# Altium PCB SINA33D3.0.PcbDoc (part 3 of 3)
Units mil, origin at the board's own origin, x right, y up, seen from the top; angles counter-clockwise.
Board outline 5708.66 x 4251.97 mil, 2 copper layers (Top, Bottom), stack 12.7 mil thick; 275 components, 238 nets, 1094 pads, 1002 vias.
Unrouted connection lines stored in the file: 663.
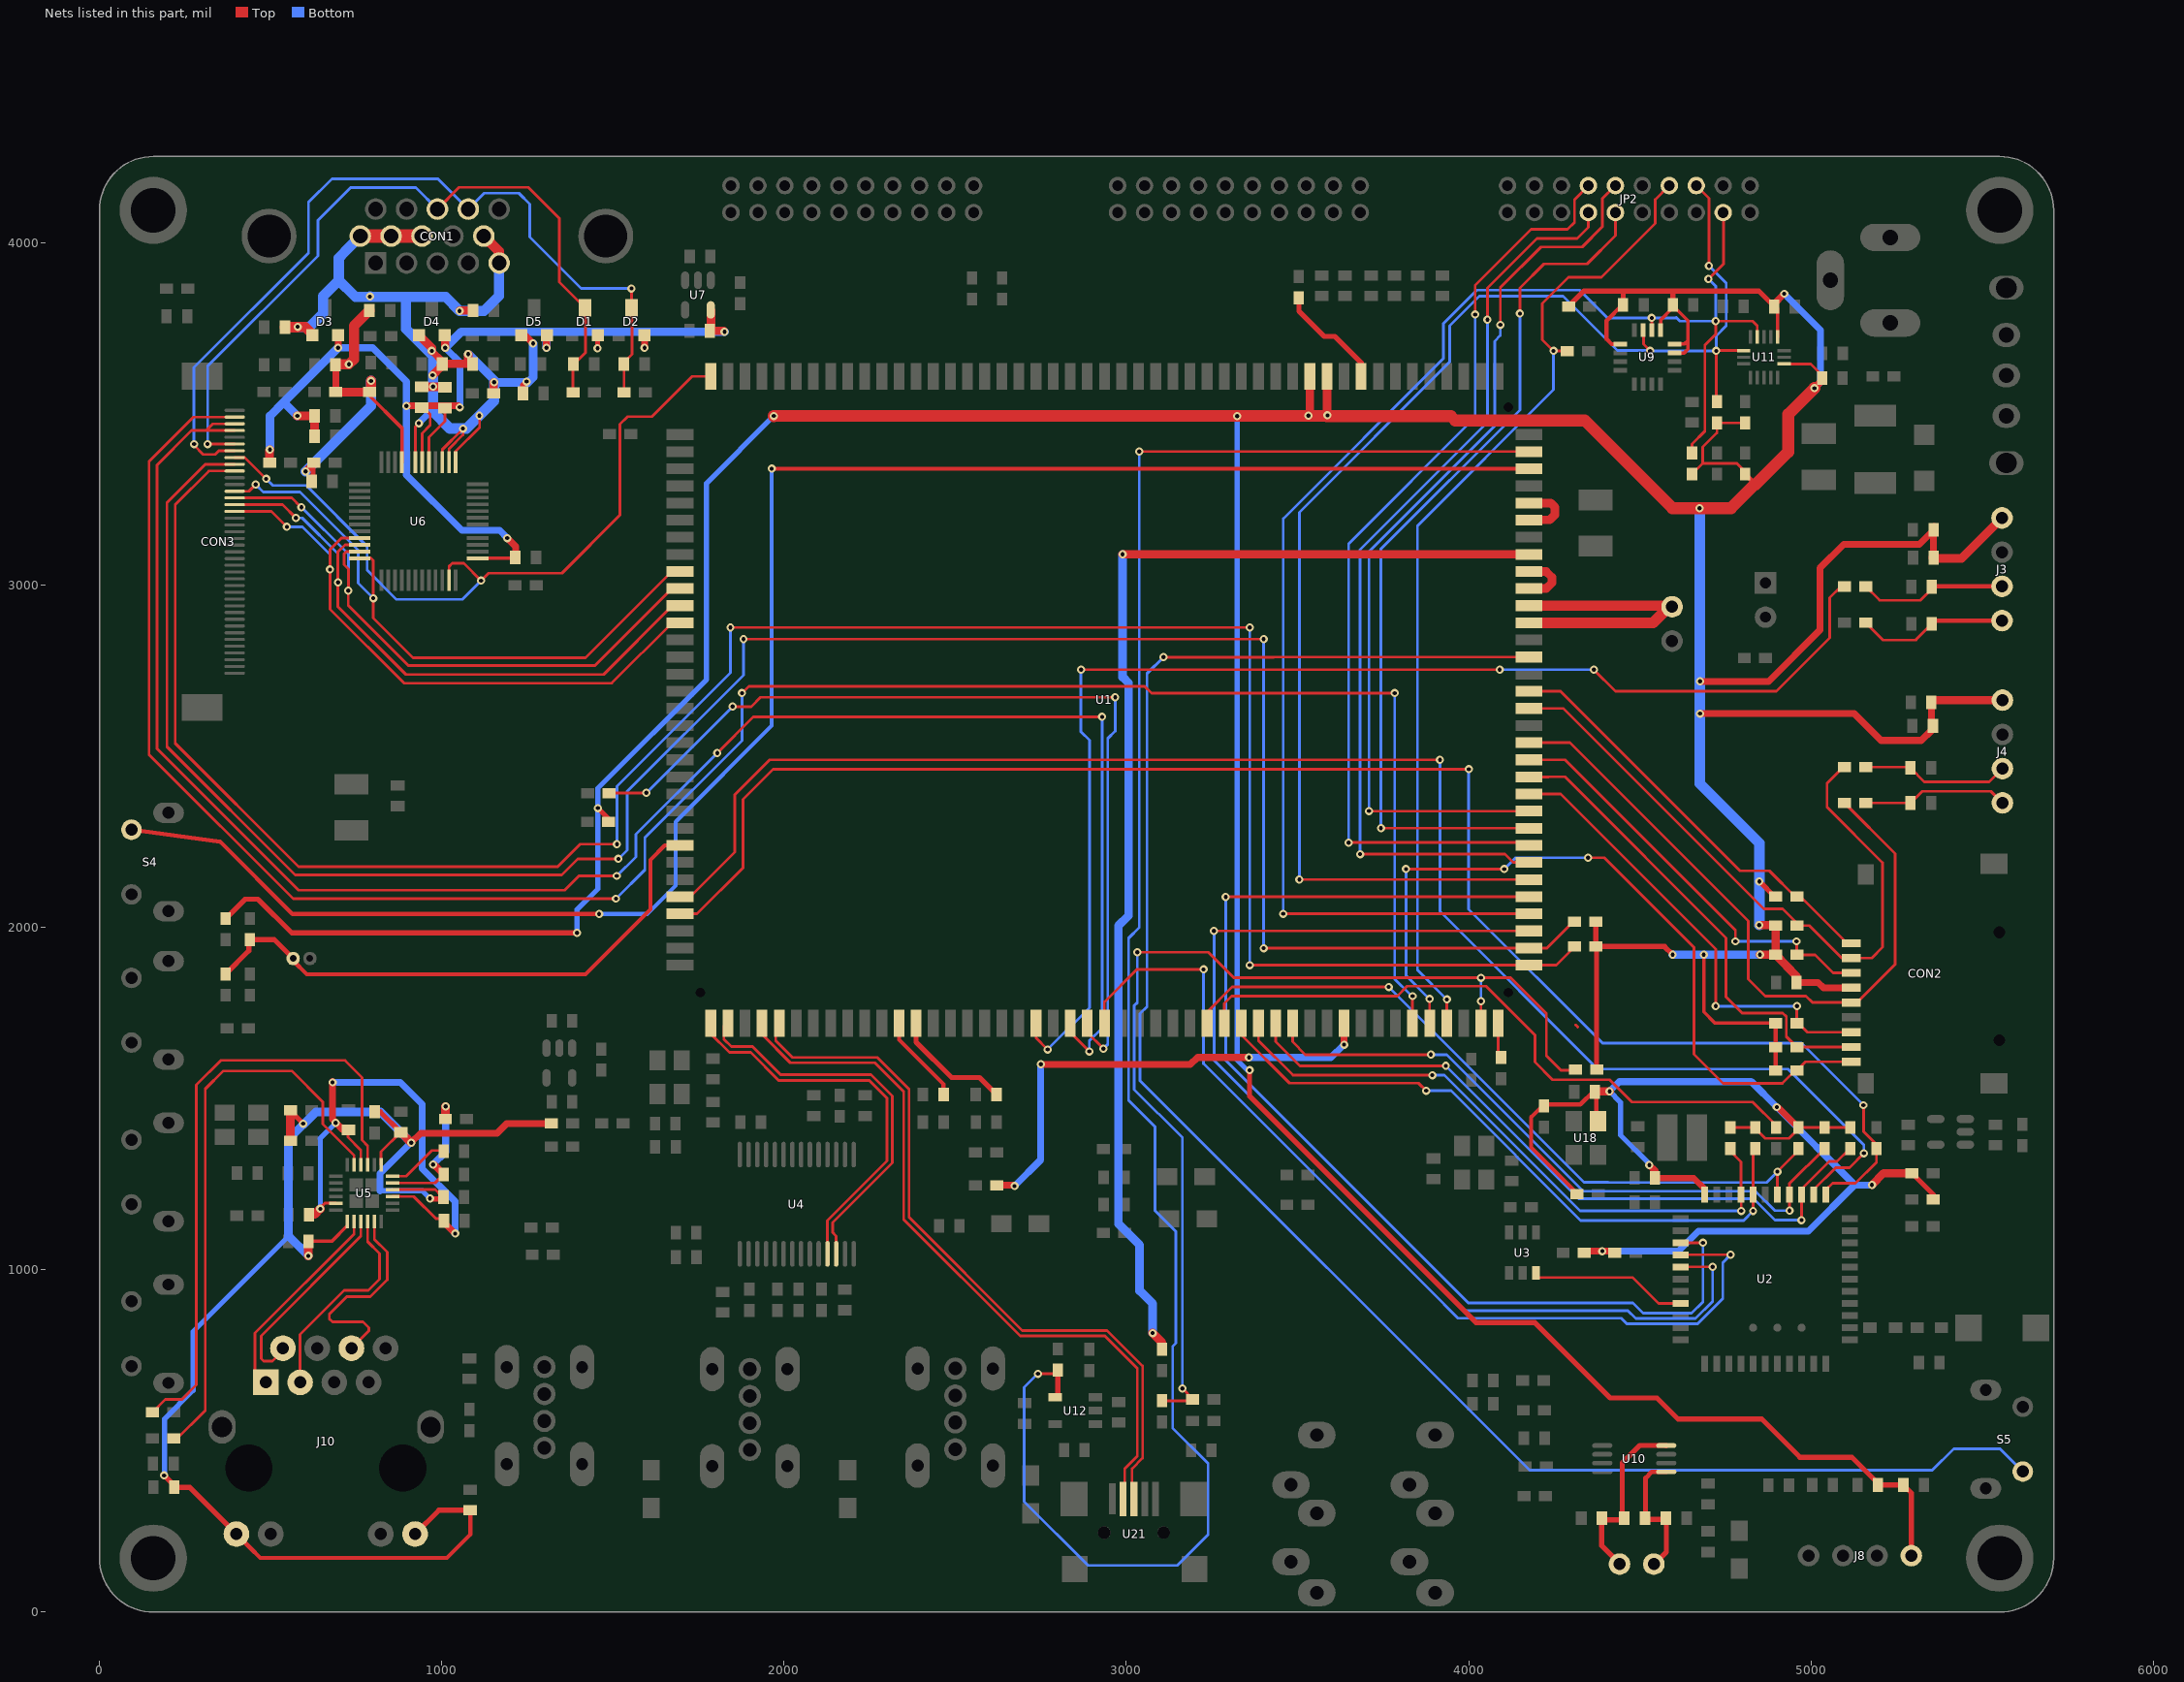
[diagram p3: the nets of this part, all layers, seen from the top]

## Via types
v1: diameter 24, hole 12, Top to Bottom, 999 vias
v2: diameter 40, hole 20, Top to Bottom, 3 vias

## Nets (pads, with @x,y where several pads share a name; then routed paths per layer and width w, separated by ;. In a path a pad name is that pad's centre, name@x,y a point inside that pad or via, vN(x,y) a via of type N, cw(c..) or ccw(c..) an arc to the next point about the centre after c; other vN are vias at no path point) (continued)
LCD-D20: CON3.25 U1.91 U6.45 | length 1833.8
  Top w8: CON3.25@395.28,3214.96 502.76,3214.96 v1(547.64,3170.08) ; U6.45@760.24,3137.21 706.89,3137.21 673.63,3103.94 v1(673.63,3045.28) 673.63,2929.53 889.77,2713.39 1496.85,2713.39 1673.04,2889.57 U1.91@1695.67,2889.57
  Bottom w8: v1(547.64,3170.08) 592.92,3170.08 673.63,3089.37 v1(673.63,3045.28)
LCD-D21: CON3.26 U1.90 U6.46 | length 1841.1
  Top w8: CON3.26@395.28,3234.65 535.44,3234.65 v1(574.02,3196.07) ; U6.46@760.24,3117.52 717.52,3117.52 696.85,3096.85 v1(696.85,3007.48) 696.85,2937.01 895.28,2738.59 1472.84,2738.59 1673.82,2939.57 U1.90@1695.67,2939.57
  Bottom w8: v1(574.02,3196.07) 592.52,3196.07 696.85,3091.74 v1(696.85,3007.48)
LCD-D22: CON3.27 U1.89 U6.47 | length 1845.9
  Top w8: CON3.27@395.28,3254.33 561.82,3254.33 587.8,3228.35 588.98,3228.35 v1(590.16,3227.17) ; U6.47@760.24,3097.84 721.26,3097.84 714.77,3091.34 714.77,3059.26 727.17,3046.85 v1(727.17,2983.47) 726.78,2983.07 726.78,2940.36 902.56,2764.57 1447.64,2764.57 1672.64,2989.57 U1.89@1695.67,2989.57
  Bottom w8: v1(590.16,3227.17) 727.17,3090.16 v1(727.17,2983.47)
LCD-D23: CON3.28 U1.88 U6.48 | length 1866
  Top w8: CON3.28@395.28,3274.02 436.62,3274.02 v1(456.3,3293.7) ; U6.48@760.24,3078.15 760.83,3078.74 792.52,3078.74 800,3071.26 v1(800,2961.42) 800,2903.47 915.75,2787.4 1419.89,2787.4 1672.05,3039.57 U1.88@1695.67,3039.57
  Bottom w8: v1(456.3,3293.7) 478.35,3271.66 585.83,3271.66 755.91,3101.58 755.91,3005.52 v1(800,2961.42)
LCD-DE: CON3.33 U1.79 U6.11 | length 2186.6
  Top w8: CON3.33@395.28,3372.44 424.81,3372.44 v1(487.01,3310.24) ; U6.11@1021.26,3013.98 1021.26,3054.33 1030.18,3063.25 1064.57,3063.25 v1(1114.82,3013) 1136.48,3034.65 1351.19,3034.65 1520.87,3204.33 1520.87,3470.08 1542.72,3491.93 1613.59,3491.93 1731.11,3609.45 U1.79@1785.83,3609.45
  Bottom w8: v1(487.01,3310.24) 506.3,3290.95 603.94,3290.95 782.29,3112.6 782.29,3043.7 868.11,2957.88 1059.7,2957.88 v1(1114.82,3013)
LCD-HSYNC: C36.2 CON1.13 CON3.35 D1.3 R78.2 | length 2265.2
  Top w8: v1(315.75,3411.81) CON3.35@395.28,3411.81 ; CON1.13@987.41,4098.03 1050.79,4161.42 1253.15,4161.42 1343.69,4070.89 1343.69,3884.66 D1.3@1418.51,3809.85 1420.19,3808.17 1420.19,3678.74 C36.2@1387.51,3646.07 ; R78.2@1383.57,3562.6 1383.57,3650.79 1385.04,3649.32 C36.2@1385.04,3646.07
  Bottom w8: v1(315.75,3411.81) 316.34,3412.4 316.34,3639.57 638.19,3961.42 638.19,4065.36 733.86,4161.03 924.41,4161.03 CON1.13@987.41,4098.03
LCD-PWM: R50.1 U1.134 | length 2732
  Top w8: R50.1@1488.88,2391.34 1487.31,2392.91 v1(1597.64,2392.91) ; v1(1849.61,2644.88) 1904.33,2644.88 1931.5,2672.05 v1(2967.32,2672.05) ; U1.134@2885.83,1719.69 2885.83,1692.91 v1(2933.07,1645.67)
  Bottom w8: v1(1597.64,2392.91) v1(1849.61,2644.88) ; v1(2933.07,1645.67) 2945.67,1658.27 2945.67,2551.57 2967.32,2573.23 v1(2967.32,2672.05)
LCD-RST: R105.2 U1.131 | length 3713.1
  Top w8: U1.131@2735.83,1719.69 2735.83,1677.16 v1(2769.68,1643.31) ; v1(2867.32,2752.76) v1(4090.55,2752.76) ; v1(4365.35,2752.76) 4428.74,2689.37 4898.82,2689.37 5054.72,2845.28 5054.72,2962.6 5087.8,2995.67 R105.2@5097.74,2995.67
  Bottom w8: v1(2769.68,1643.31) 2892.13,1765.75 2892.13,2546.85 2867.32,2571.65 v1(2867.32,2752.76) ; v1(4090.55,2752.76) v1(4365.35,2752.76)
LCD-VSYNC: C37.2 CON1.14 CON3.34 D2.3 R77.2 | length 2497.2
  Top w8: v1(276.38,3411.81) 275.59,3411.03 275.59,3409.06 303.15,3381.5 338.19,3381.5 348.82,3392.13 CON3.34@395.28,3392.13 ; R77.2@1532.39,3562.6 1532.39,3645.96 C37.2@1532.29,3646.07 1532.29,3650 1555.91,3673.63 1555.91,3808.27 D2.3@1554.34,3809.85 v1(1554.34,3866.14)
  Bottom w8: v1(276.38,3411.81) 276.38,3635.44 610.63,3969.69 610.63,4118.11 679.14,4186.62 988.98,4186.62 CON1.14@1077.56,4098.03 1124.22,4144.69 1225.2,4144.69 1257.09,4112.8 1257.09,4016.54 1407.48,3866.14 v1(1554.34,3866.14)
LRADC0: CN2.1 R52.2 R56.1 U1.104 | length 1672.4
  Top w12: R56.1@436.33,1961.23 R56.1@438.98,1963.89 ; CN2.1@565.75,1909.06 566.93,1907.88 566.93,1901.97 605.81,1863.09 605.81,1862.7 1419.69,1862.7 1609.45,2052.46 1609.45,2197.44 1651.58,2239.57 U1.104@1695.67,2239.57
  Top w15: R52.2@368.9,1864.07 436.33,1931.5 R56.1@436.33,1961.23 ; R56.1@438.98,1963.89 439.27,1964.18 510.63,1964.18 CN2.1@565.75,1909.06
LS-INT: JP2.7 R87.1 U1.155 | length 2914.8
  Top w8: U1.155@3935.83,1719.69 3936.22,1719.69 v1(3936.22,1789.37) ; R87.1@4288.3,3683.47 4285.04,3680.22 4281.4,3683.86 v1(4247.64,3683.86) 4214.77,3716.74 4214.77,3822.25 4291.73,3899.21 4387.4,3899.21 4544.49,4056.3 4544.49,4125.99 4585.25,4166.74 JP2.7@4585.84,4166.74
  Bottom w8: v1(3936.22,1789.37) 3850.4,1875.2 3850.4,3172.84 4247.64,3570.08 v1(4247.64,3683.86)
MCLK-IN: U2.30 U3.6 | length 467.7
  Top w8: U3.6@4196.46,990.95 4196.46,977.56 4478.35,977.56 4554.33,901.58 U2.30@4619.3,901.58
MIC1N: C75.2 U1.123 | length 262.1
  Top w11.81: U1.123@2335.83,1719.69 2335.83,1671.66 2465.75,1541.74 C75.2@2465.75,1511.42
MIC1P: C74.2 U1.124 | length 353
  Top w15: U1.124@2385.83,1719.69 2385.83,1664.96 2489.57,1561.22 2570.67,1561.22 C74.2@2620.48,1511.42
MIC-MBIAS: R90.1 U1.149 | length 1411.4
  Top w8: v1@2670.87,1246.85 v1(2673.23,1244.49)
  Top w20: R90.1@2621.56,1246.85 v1@2670.87,1246.85 ; v1(2750,1600) 3187.01,1600 3208.27,1620.08 v1(3357.87,1620.08) ; v1(3635.83,1657.48) U1.149@3635.83,1719.69
  Bottom w20: v1(2673.23,1244.49) 2750,1321.26 v1(2750,1600) ; v1(3357.87,1620.08) 3598.04,1620.08 v1(3635.83,1657.48)
NET_1V0: C5.2 C6.2 C11.1 U5.9 U5.16 U5.23 | length 1594.5
  Top w8: C5.2@612.21,1162.6 612.21,1160.75 C5.2@612.28,1160.68 ; v1(645.28,1177.96) 645.28,1180.71 659.06,1194.49 U5.23@690.95,1194.49 ; C6.2@727.61,1408.59 725.99,1406.97 725.99,1387.01 763.78,1349.22 U5.16@763.78,1306.7 ; U5.9@856.3,1214.18 877.17,1214.18 877.37,1213.98 918.16,1213.98 983,1149.14 1006.61,1149.14 C11.1@1006.61,1142.96 1010.63,1138.94 C11.1@1010.63,1134.26
  Top w20: v1@681.11,1549.61 v1(681.11,1547.25) 681.11,1439.37 690.95,1429.53 711.42,1409.06 727.15,1409.06 C6.2@727.61,1408.59 ; C11.1@1010.63,1134.26 v1(1039.37,1105.52)
  Top w25: C5.2@612.21,1162.6 628.35,1162.6 629.14,1161.81 v1(645.28,1177.96)
  Bottom w15: v1(645.28,1177.96) 645.28,1382.29 644.49,1383.07 v1(690.16,1428.74)
  Bottom w20: v1(681.11,1547.25) 879.14,1547.25 943.31,1483.07 943.31,1295.67 1039.37,1199.61 v1(1039.37,1105.52)
NET_1V_UPS: C8.2 U5.12 | length 181.5
  Top w8: U5.12@856.3,1273.23 895.67,1273.23 970.87,1348.43 1003.82,1348.43 C8.2@1005.84,1346.41
NET_3V3: C7.1 C10.1 C12.2 ESD6.2 ESD7.2 J10.9 J10.12 R28.1 R35.1 R36.2 R76.1 U5.1 U5.10 U5.13 | length 4501.2
  Top w8: R35.1@557.98,1461.03 R35.1@561.03,1461.03 ; C12.2@611.1,1082.73 C12.2@611.84,1083.47 ; U5.1@724.41,1128.35 U5.1@724.41,1141.34 U5.1@724.41,1143.31 ; U5.13@822.84,1306.7 822.84,1344.49 879.84,1401.49 C7.1@880.27,1401.49 C7.1@880.4,1401.49 ; U5.10@856.3,1233.86 981.11,1233.86 998.43,1216.54 1000.75,1216.54 C10.1@1005.04,1212.25 C10.1@1005.04,1207.09 ; v1@969.73,1207.09 v1(965.75,1208.27) v1@974.28,1208.27
  Top w9.84: C12.2@611.84,1083.47 679.53,1083.47 U5.1@724.41,1128.35
  Top w11.81: J10.9@400.4,227.96 440.95,187.41 469.68,158.66 1015.35,158.66 1083.46,226.77 1083.46,297.22 ESD6.2@1083.12,297.57
  Top w15: R35.1@561.03,1461.03 v1(595.28,1426.77) ; R36.2@803.94,1461.32 820.48,1461.29 C7.1@880.27,1401.49 ; J10.12@922.05,227.96 991.66,297.57 ESD6.2@1083.12,297.57
  Top w15.75: v1(188.98,399.21) 220.88,367.31 ESD7.2@223.57,364.62 ; ESD7.2@218.19,364.62 ESD7.2@223.57,364.62 ; J10.9@400.4,227.96 263.74,364.62 ESD7.2@223.57,364.62 ; v1@969.73,1207.09 C10.1@1005.04,1207.09
  Top w20: v1(910.63,1371.26) 938.39,1399.02 1161.62,1399.02 1189.77,1427.17 R76.1@1320.19,1427.17
  Top w25: R28.1@557.98,1376.77 557.98,1461.03 R35.1@557.98,1465.75 ; v1(610.24,1040.55) 610.24,1081.87 C12.2@611.1,1082.73 ; C7.1@880.4,1401.49 v1(910.63,1371.26)
  Bottom w8: 900.89,1381.01 v1(910.63,1371.26)
  Bottom w15: v1(188.98,399.21) 190.55,400.79 190.55,564.57 273.62,647.64 273.62,818.89 552.37,1097.64 552.37,1098.43 ; 820.08,1230.71 943.3,1230.71 v1(965.75,1208.27)
  Bottom w20: 820.08,1230.71 820.08,1280.71 v1(910.63,1371.26)
  Bottom w25: v1(610.24,1040.55) 552.37,1098.43 552.37,1381.5 594.49,1423.63 595.67,1423.63 633.08,1461.03 820.87,1461.03 900.89,1381.01
NET_5V: C9.2 R71.1 U5.11 | length 426.6
  Top w8: U5.11@856.3,1253.55 981.89,1253.55 981.89,1254.75 C9.2@1005.84,1278.7 ; v1(974.41,1307.09) v1@977.45,1307.09 ; v1@1010.74,1477.17 v1(1011.42,1477.17)
  Top w20: v1@977.45,1307.09 C9.2@1005.84,1278.7
  Top w25: R71.1@1010.74,1440.55 v1@1010.74,1477.17
  Bottom w20: v1(974.41,1307.09) 1011.42,1344.1 v1(1011.42,1477.17)
NET_LED_LINK: R45.1 U5.15 | length 1834
  Top w8: R45.1@155.22,583.86 192.52,621.16 241.73,621.16 241.73,621.94 283.46,663.68 283.46,1540.55 354.33,1611.42 717.32,1611.42 767.32,1561.42 767.32,1378.35 783.47,1362.2 U5.15@783.47,1306.7
NET_LED_TXRX: R44.1 U5.17 | length 1696.8
  Top w8: R44.1@217.22,507.48 221.26,506.59 221.26,501.18 222.39,502.31 309.06,588.98 309.06,1527.96 361.82,1580.71 561.82,1580.71 652.76,1489.77 652.76,1425.2 744.1,1333.86 U5.17@744.1,1306.7
NET_RXIN: J10.6 U5.5 | length 617.2
  Top w8: J10.6@736.22,770.87 787.01,821.66 787.01,830.71 770.08,847.64 680.77,847.64 671.66,856.75 671.66,870.08 722.84,921.26 791.34,921.26 840.56,970.48 840.56,1051.18 803.15,1088.59 U5.5@803.15,1141.34
NET_RXIP: J10.3 U5.4 | length 622.4
  Top w8: J10.3@586.22,670.87 586.22,811.42 714.57,939.77 785.44,939.77 818.11,972.44 818.11,1047.64 783.47,1082.29 U5.4@783.47,1141.34
NET_TXON: J10.2 U5.3 | length 608.1
  Top w8: J10.2@536.22,770.87 532.29,766.93 532.29,759.85 505.12,732.68 480.32,732.68 472.84,740.16 472.84,807.09 763.78,1098.03 U5.3@763.78,1141.34
NET_TXOP: J10.1 U5.2 | length 603.4
  Top w8: J10.1@486.22,670.87 454.73,702.37 454.73,815.36 744.1,1104.73 U5.2@744.1,1141.34
PA-SHDN: R97.1 U1.158 | length 109.7
  Top w8: U1.158@4085.83,1719.69 4085.83,1618.9 4086.52,1619.59 R97.1@4094.49,1619.59
PG11: U1.135 U2.26 | length 2812.3
  Top w8: U1.135@2935.83,1719.69 2935.83,1782.68 3030.32,1877.17 v1(3225.2,1877.17) ; U2.26@4619.3,1043.31 4619.3,1043.7 v1(4764.96,1043.7)
  Bottom w8: v1(3225.2,1877.17) 3225.2,1601.97 3886.22,940.95 3968.7,858.47 4445.67,858.47 4462.01,842.13 4668.51,842.13 4742.13,915.75 4742.13,1020.87 v1(4764.96,1043.7)
PG12: U1.3 U2.27 | length 3282.8
  Top w8: v1(3255.91,1989.77) 3256.11,1989.57 U1.3@4175.99,1989.57 ; U2.27@4619.3,1007.88 4620.08,1008.66 v1(4712.6,1008.66)
  Bottom w8: v1(3255.91,1989.77) 3255.91,1611.81 3987.01,880.71 4464.57,880.71 4487.8,857.48 4662.6,857.48 4712.6,907.48 v1(4712.6,1008.66)
PG13: U1.5 U2.25 | length 3335.1
  Top w8: v1(3290.16,2088.59) 3290.56,2089.57 U1.5@4175.99,2089.57 ; v1(4684.26,1078.74) U2.25@4619.3,1078.74 ; U2.25@4619.3,1078.74 4611.03,1078.74 4610.24,1079.53 4620.08,1079.53 U2.25@4619.3,1078.74
  Bottom w8: v1(3290.16,2088.59) 3290.16,1611.81 3998.82,903.15 4479.14,903.15 4509.45,872.84 4650.79,872.84 4684.26,906.3 v1(4684.26,1078.74)
POWER_ON_OFF: S4.2 U1.30 | length 5260
  Top w12: S4.2@93.7,2285.43 352.76,2250.4 564.18,2038.98 v1(1459.85,2038.98) ; v1(1963.78,3339.77) 1963.98,3339.57 U1.30@4175.99,3339.57
  Bottom w12: v1(1459.85,2038.98) 1600,2038.98 1683.08,2122.05 1683.08,2308.27 1963.78,2588.98 v1(1963.78,3339.77)
PS: U1.27 U1.28 | length 185.4
  Top w25: U1.27@4175.99,3189.57 4176.58,3190.16 4236.62,3190.16 4251.97,3205.51 4251.97,3227.17 4239.57,3239.57 U1.28@4175.99,3239.57
RESET: S5.2 U1.19 | length 5436.7
  Top w8: v1(3108.27,2789.37) 3430.32,2789.37 3430.42,2789.47 3430.61,2789.47 3430.71,2789.57 U1.19@4175.99,2789.57
  Bottom w8: v1(3108.27,2789.37) 3060.24,2741.34 3060.24,1768.5 3039.76,1748.03 3039.76,1552.37 4135.48,456.65 4177.56,414.57 5353.94,414.57 5416.54,477.17 5551.97,477.17 S5.2@5618.51,410.63
SDC0-CLK: CON2.5 R106.2 U1.14 | length 2062.4
  Top w8: U1.14@4175.99,2539.57 4295.28,2539.57 4816.15,2018.7 4816.15,1849.02 4865.75,1799.41 4985.47,1799.41 5004.33,1780.55 5134.33,1780.55 5245.75,1891.97 5245.75,2215.38 R106.2@5097.74,2363.39
SDC0-CMD: CON2.3 R93.1 U1.13 | length 1240.1
  Top w8: U1.13@4175.99,2489.57 4281.11,2489.57 4779.14,1991.54 v1(4779.14,1959.26) ; v1(4957.48,1959.26) 4958.56,1958.18 R93.1@4958.56,1919.89 5011.46,1919.89 5064.18,1867.17 CON2.3@5116.93,1867.17
  Bottom w8: v1(4779.14,1959.26) v1(4957.48,1959.26)
SDC0-D0: CON2.7 R92.1 U1.11 | length 1360.8
  Top w8: U1.11@4175.99,2389.57 4236.03,2389.57 4236.22,2389.77 4268.9,2389.77 4721.66,1937.01 v1(4721.66,1769.89) ; v1(4958.67,1769.89) 4958.56,1769.78 R92.1@4958.56,1720 4958.68,1723.12 4959.8,1723.12 4988.98,1693.94 CON2.7@5116.93,1693.94
  Bottom w8: v1(4721.66,1769.89) v1(4958.67,1769.89)
SDC0-D1: CON2.8 R91.1 U1.12 | length 1417.7
  Top w8: U1.12@4175.99,2439.57 4233.27,2439.57 4233.47,2439.77 4281.11,2439.77 4751.58,1969.29 4751.58,1797.24 4798.82,1750 4916.93,1750 4927.56,1739.37 4927.56,1681 R91.1@4948.91,1659.65 ; R91.1@4958.56,1650 R91.1@4948.91,1659.65 ; CON2.8@5116.93,1650.63 4961.82,1650.63 4961.82,1652.56 4954.73,1659.65 R91.1@4948.91,1659.65
SDC0-D2: CON2.1 R1.1 U1.17 | length 1257.6
  Top w8: U1.17@4175.99,2689.57 4268.11,2689.57 4792.52,2165.16 4878.35,2165.16 4955.66,2087.85 4959.85,2083.66 4959.85,2089.47 R1.1@4958.56,2090.75 4968.55,2090.75 5105.52,1953.78 CON2.1@5116.93,1953.78
SDC0-D3: CON2.2 R94.1 R107.2 U1.16 | length 1972.5
  Top w8: U1.16@4175.99,2639.57 4242.72,2639.57 4242.92,2639.77 4275.99,2639.77 4861.42,2054.33 4917.33,2054.33 4962.45,2009.21 R94.1@4966.34,2005.32 ; R94.1@4958.56,2005.32 R94.1@4966.34,2005.32 ; R107.2@5097.74,2468.11 5093.7,2468.11 5046.46,2420.87 5046.46,2351.18 5208.54,2189.1 5208.54,1941.85 5177.17,1910.48 CON2.2@5116.93,1910.48 5089.37,1910.48 4994.53,2005.32 R94.1@4966.34,2005.32
SENSOR-SCK: JP2.4 R49.1 U1.4 U9.2 U11.4 | length 4464.2
  Top w8: v1(3458.27,2039.77) 3458.47,2039.57 U1.4@4175.99,2039.57 ; v1(4534.65,3780.32) 4534.85,3780.12 U9.2@4534.85,3744.1 ; R49.1@4652.37,3386.12 4652.37,3411.81 4689.77,3449.22 4689.77,3700.79 4721.66,3732.68 v1(4721.66,3770.87) 4829.53,3770.87 4842.52,3757.88 U11.4@4842.52,3724.41 ; v1(4700.4,3894.1) 4744.1,3937.8 4744.1,4087.22 JP2.4@4743.32,4088
  Bottom w8: v1(3458.27,2039.77) 3458.27,3193.7 3926.38,3661.81 3926.38,3763.78 4024.02,3861.42 4323.63,3861.42 4403.94,3781.11 4403.94,3780.32 v1(4534.65,3780.32) 4605.12,3780.32 4606.3,3781.5 4616.93,3770.87 v1(4721.66,3770.87) 4721.66,3872.84 v1(4700.4,3894.1)
SENSOR-SDA: JP2.5 R55.1 U1.6 U9.3 U11.6 | length 4188.8
  Top w8: v1(3505.12,2139.77) 3505.32,2139.57 U1.6@4175.99,2139.57 ; U9.3@4509.26,3744.1 4510.63,3742.72 4510.63,3703.55 4529.93,3684.26 v1(4529.93,3683.86) ; JP2.5@4664.58,4166.74 4701.58,4129.74 v1(4701.58,3932.29) ; R55.1@4725.2,3535.33 4729.24,3539.37 4722.84,3539.37 v1(4722.84,3683.86) 4724.02,3685.04 U11.6@4803.15,3685.04
  Bottom w8: v1(3505.12,2139.77) 3505.12,3212.6 3944.3,3651.77 3944.3,3757.68 4030.71,3844.1 4275.99,3844.1 4434.65,3685.44 4528.35,3685.44 v1(4529.93,3683.86) v1(4722.84,3683.86) 4722.84,3727.96 4751.97,3757.09 4751.97,3881.89 v1(4701.58,3932.29)
SPI0-CLK: JP2.12 U1.9 | length 2587.9
  Top w8: v1(3743.7,2289.77) 4162.8,2289.77 U1.9@4175.99,2289.57 ; v1(4149.61,3792.91) 4149.61,3867.72 4219.68,3937.8 4345.68,3937.8 4428.36,4020.47 JP2.12@4428.36,4088
  Bottom w8: v1(3743.7,2289.77) 3743.7,3105.52 4149.61,3511.42 v1(4149.61,3792.91)
SPI0-CS: JP2.11 U1.10 | length 2662.9
  Top w8: v1(3708.67,2339.77) U1.10@4175.99,2339.57 ; v1(4092.13,3759.85) 4092.13,3868.5 4211.22,3987.59 4331.5,3987.59 4390.75,4046.85 4390.75,4129.14 JP2.11@4428.36,4166.74
  Bottom w8: v1(3708.67,2339.77) 3708.67,3097.64 4075.99,3464.96 4075.99,3712.4 4092.13,3728.55 v1(4092.13,3759.85)
SPI0-MISO: JP2.14 U1.7 | length 2722.8
  Top w8: v1(3682.68,2213.78) 4105.91,2213.78 4130.12,2189.57 U1.7@4175.99,2189.57 ; v1(4054.73,3775.2) 4054.73,3868.11 4199.2,4012.59 4316.93,4012.59 4349.62,4045.28 JP2.14@4349.62,4088
  Bottom w8: v1(3682.68,2213.78) 3682.68,3103.55 4054.73,3475.59 v1(4054.73,3775.2)
SPI0-MOSI: JP2.13 U1.8 | length 2804.6
  Top w8: v1(3649.22,2247.64) 4173.82,2247.64 U1.8@4175.99,2239.57 ; v1(4018.51,3790.16) 4018.51,3875.2 4182.28,4038.97 4288.78,4038.97 4308.86,4059.06 4308.86,4125.99 JP2.13@4349.62,4166.74
  Bottom w8: v1(3649.22,2247.64) 3649.22,3120.48 4018.51,3489.77 v1(4018.51,3790.16)
SPKLOUT+: C23.2 C25.2 CN4.2 U10.5 | length 404.5
  Top w13.78: C23.2@4516.54,270.48 4516.54,391.54 4534.65,409.65 U10.5@4576.97,409.65
  Top w15: C23.2@4512.21,274.02 4512.21,270.48 4516.54,270.48 4577.56,270.48 4577.56,175.59 4551.58,149.61 4550,149.61 CN4.2@4540.56,140.16
SPKLOUT-: C23.1 C24.2 CN4.1 U10.8 | length 529.6
  Top w15: CN4.1@4440.56,140.16 4442.52,140.16 4388.59,194.1 4388.59,269.29 4448.23,269.29 4448.23,435.83 4499.21,486.81 4576.59,486.81 U10.8@4576.97,486.42
T-CARD-DET: CON2.9 R51.1 U1.154 | length 2287.2
  Top w8: v1(3816.93,2170.48) v1(4103.55,2170.48) ; v1(3885.44,1790.95) 3885.44,1719.69 U1.154@3885.83,1719.69 ; v1(4348.43,2203.55) 4395.87,2203.55 4657.88,1941.54 4657.88,1629.73 4742.92,1544.69 4916.15,1544.69 4962.74,1591.29 R51.1@4967.37,1591.29 ; R51.1@4958.56,1582.48 R51.1@4967.37,1591.29 ; CON2.9@5116.93,1607.33 4983.41,1607.33 R51.1@4967.37,1591.29
  Bottom w8: v1(3816.93,2170.48) 3816.93,1859.45 v1(3885.44,1790.95) ; v1(4103.55,2170.48) 4136.62,2203.55 v1(4348.43,2203.55)
TP-INT: CON3.39 U1.153 | length 6362.1
  Top w8: CON3.39@395.28,3490.55 274.41,3490.55 144.89,3361.03 144.89,2504.73 565.75,2083.86 v1(1509.06,2083.86) ; v1(1877.17,2684.26) 1897.25,2704.33 3053.15,2704.33 3073.23,2684.26 v1(3783.47,2684.26) ; U1.153@3835.83,1719.69 v1(3835.83,1799.22)